# KiCad board Marble.kicad_pcb (continued)
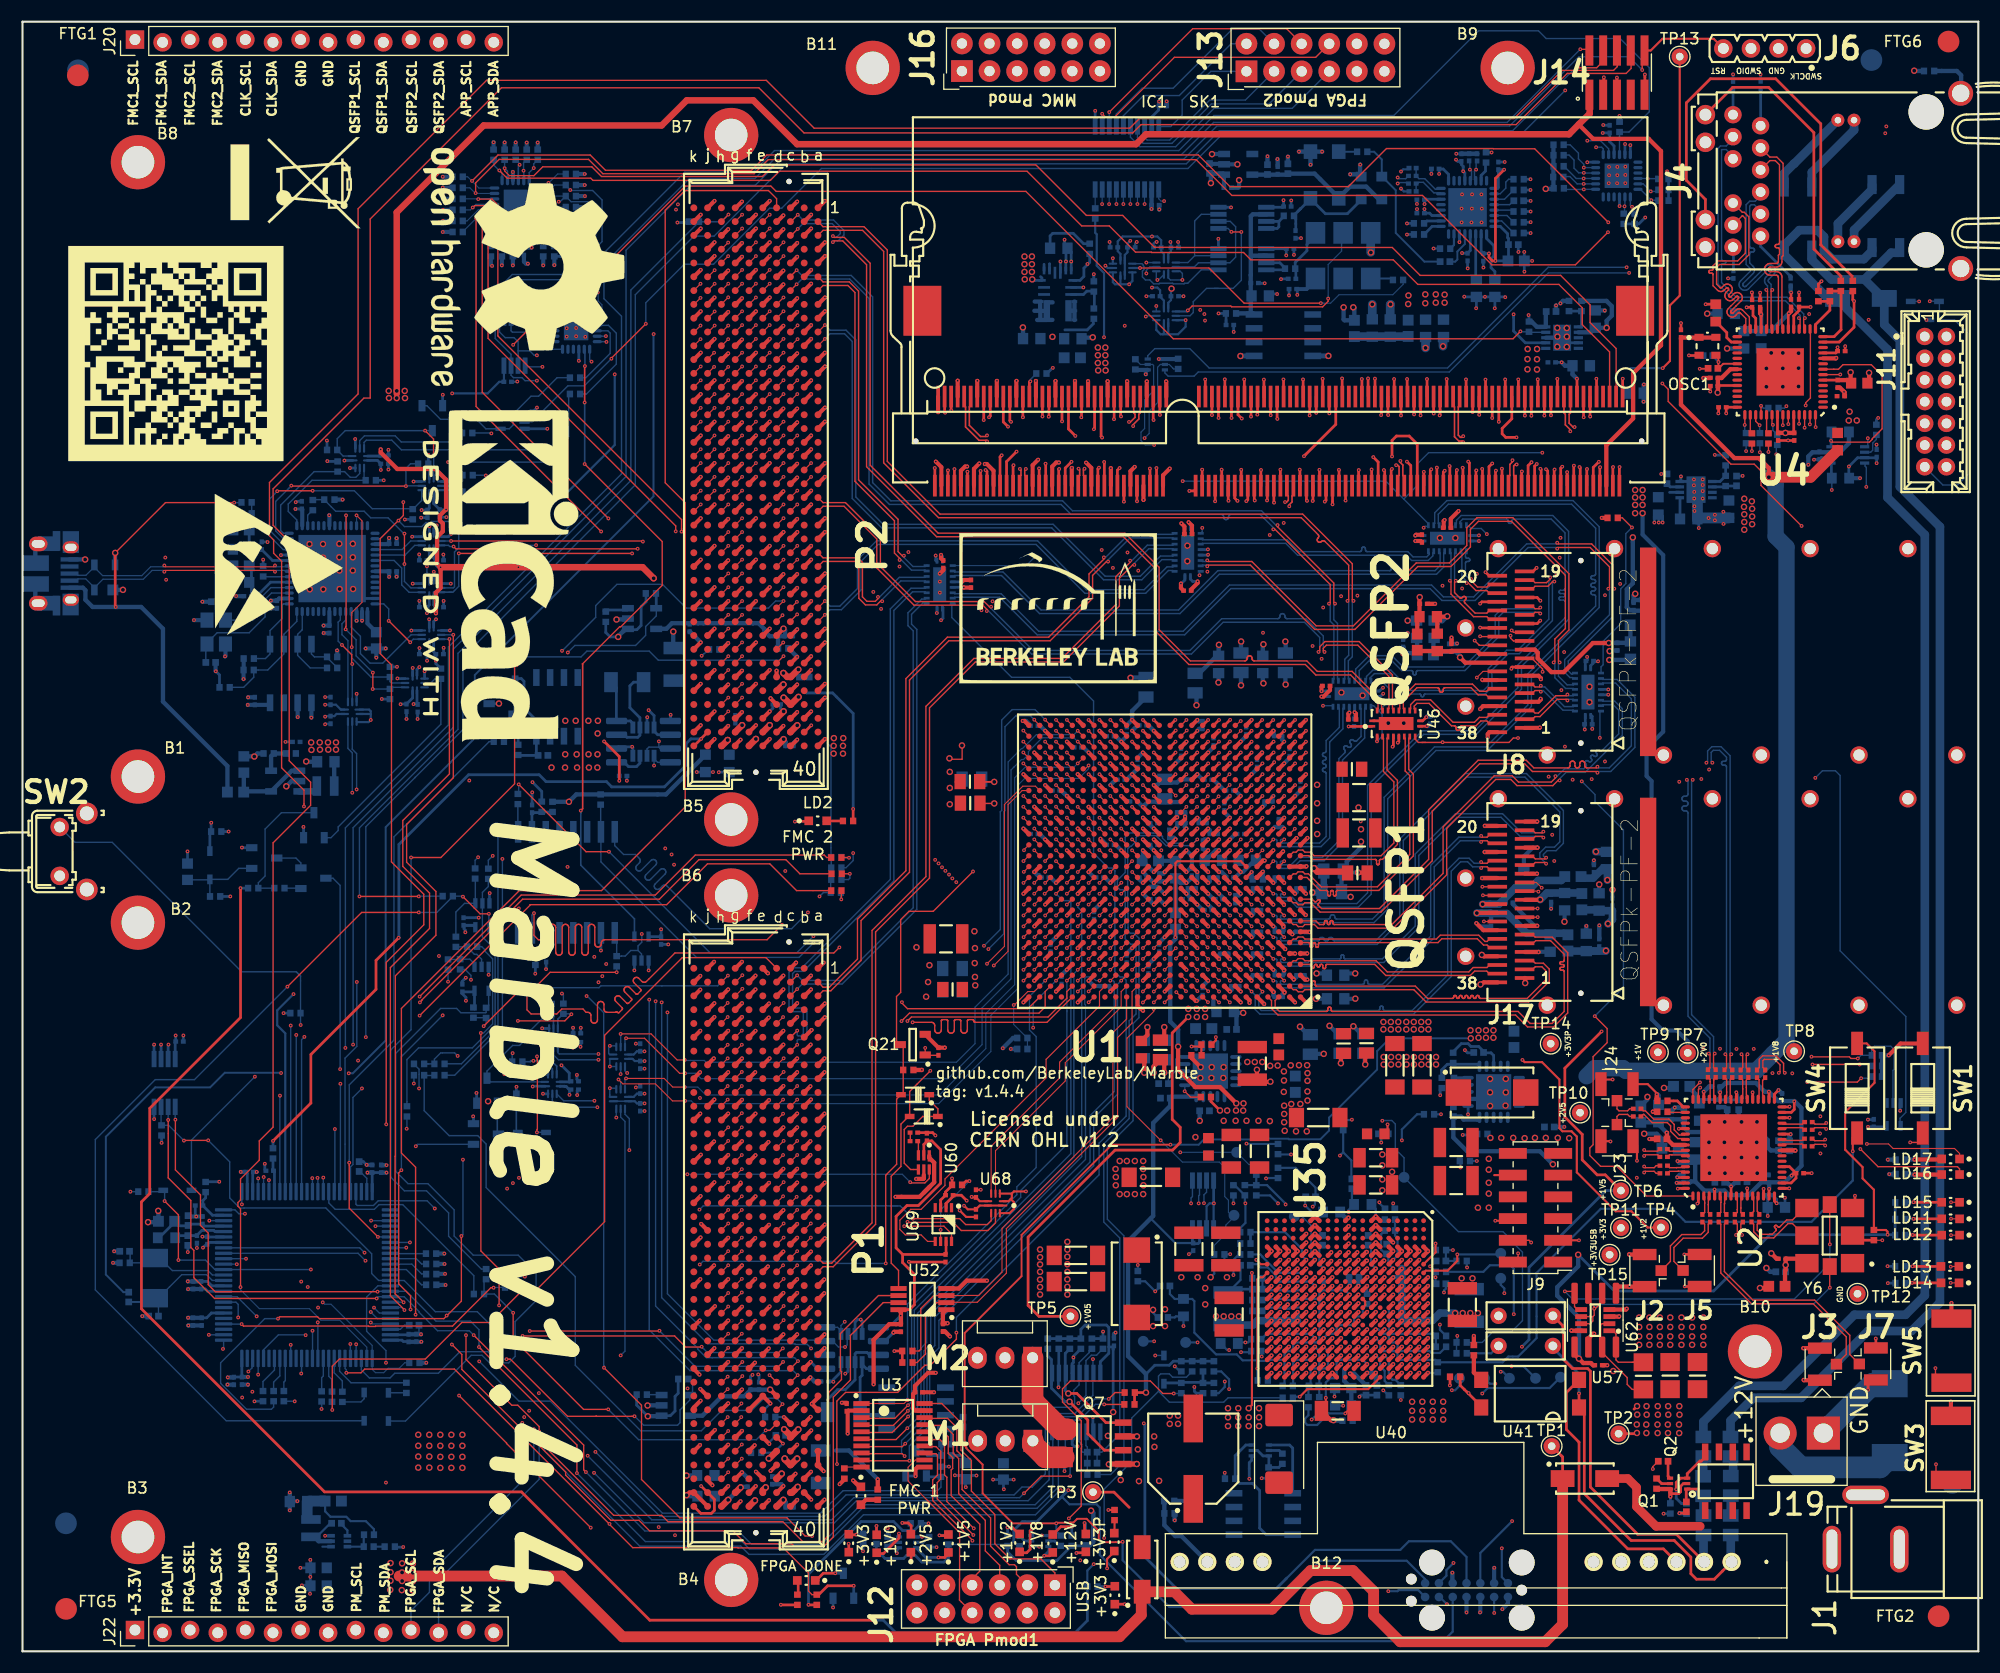
[diagram p0: board, top side]
## Footprints (pads in the part's own frame, mm; a bottom-side part is the same pattern mirrored in y, then rotated) (continued)
  round 0.64 smd: A1(24.765,-5.715) A2(23.495,-5.715) A3(22.225,-5.715) A4(20.955,-5.715) A5(19.685,-5.715) A6(18.415,-5.715) A7(17.145,-5.715) A8(15.875,-5.715) A9(14.605,-5.715) A10(13.335,-5.715) A11(12.065,-5.715) A12(10.795,-5.715) A13(9.525,-5.715) A14(8.255,-5.715) A15(6.985,-5.715) A16(5.715,-5.715) A17(4.445,-5.715) A18(3.175,-5.715) A19(1.905,-5.715) A20(0.635,-5.715) A21(-0.635,-5.715) A22(-1.905,-5.715) A23(-3.175,-5.715) A24(-4.445,-5.715) A25(-5.715,-5.715) A26(-6.985,-5.715) A27(-8.255,-5.715) A28(-9.525,-5.715) A29(-10.795,-5.715) A30(-12.065,-5.715) A31(-13.335,-5.715) A32(-14.605,-5.715) A33(-15.875,-5.715) A34(-17.145,-5.715) A35(-18.415,-5.715) A36(-19.685,-5.715) A37(-20.955,-5.715) A38(-22.225,-5.715) A39(-23.495,-5.715) A40(-24.765,-5.715) B1(24.765,-4.445) B2(23.495,-4.445) B3(22.225,-4.445) B4(20.955,-4.445) B5(19.685,-4.445) B6(18.415,-4.445) B7(17.145,-4.445) B8(15.875,-4.445) B9(14.605,-4.445) B10(13.335,-4.445) B11(12.065,-4.445) B12(10.795,-4.445) B13(9.525,-4.445) B14(8.255,-4.445) B15(6.985,-4.445) B16(5.715,-4.445) B17(4.445,-4.445) B18(3.175,-4.445) B19(1.905,-4.445) B20(0.635,-4.445) B21(-0.635,-4.445) B22(-1.905,-4.445) B23(-3.175,-4.445) B24(-4.445,-4.445) B25(-5.715,-4.445) B26(-6.985,-4.445) B27(-8.255,-4.445) B28(-9.525,-4.445) B29(-10.795,-4.445) B30(-12.065,-4.445) B31(-13.335,-4.445) B32(-14.605,-4.445) B33(-15.875,-4.445) B34(-17.145,-4.445) B35(-18.415,-4.445) B36(-19.685,-4.445) B37(-20.955,-4.445) B38(-22.225,-4.445) B39(-23.495,-4.445) B40(-24.765,-4.445) C1(24.765,-3.175) C2(23.495,-3.175) C3(22.225,-3.175) C4(20.955,-3.175) C5(19.685,-3.175) C6(18.415,-3.175) C7(17.145,-3.175) C8(15.875,-3.175) C9(14.605,-3.175) C10(13.335,-3.175) C11(12.065,-3.175) C12(10.795,-3.175) C13(9.525,-3.175) C14(8.255,-3.175) C15(6.985,-3.175) C16(5.715,-3.175) C17(4.445,-3.175) C18(3.175,-3.175) C19(1.905,-3.175) C20(0.635,-3.175) C21(-0.635,-3.175) C22(-1.905,-3.175) C23(-3.175,-3.175) C24(-4.445,-3.175) C25(-5.715,-3.175) C26(-6.985,-3.175) C27(-8.255,-3.175) C28(-9.525,-3.175) C29(-10.795,-3.175) C30(-12.065,-3.175) C31(-13.335,-3.175) C32(-14.605,-3.175) C33(-15.875,-3.175) C34(-17.145,-3.175) C35(-18.415,-3.175) C36(-19.685,-3.175) C37(-20.955,-3.175) C38(-22.225,-3.175) C39(-23.495,-3.175) C40(-24.765,-3.175) D1(24.765,-1.905) D2(23.495,-1.905) D3(22.225,-1.905) D4(20.955,-1.905) D5(19.685,-1.905) D6(18.415,-1.905) D7(17.145,-1.905) D8(15.875,-1.905) D9(14.605,-1.905) D10(13.335,-1.905) D11(12.065,-1.905) D12(10.795,-1.905) D13(9.525,-1.905) D14(8.255,-1.905) D15(6.985,-1.905) D16(5.715,-1.905) D17(4.445,-1.905) D18(3.175,-1.905) D19(1.905,-1.905) D20(0.635,-1.905) D21(-0.635,-1.905) D22(-1.905,-1.905) D23(-3.175,-1.905) D24(-4.445,-1.905) D25(-5.715,-1.905) D26(-6.985,-1.905) D27(-8.255,-1.905) D28(-9.525,-1.905) D29(-10.795,-1.905) D30(-12.065,-1.905) D31(-13.335,-1.905) D32(-14.605,-1.905) D33(-15.875,-1.905) D34(-17.145,-1.905) D35(-18.415,-1.905) D36(-19.685,-1.905) D37(-20.955,-1.905) D38(-22.225,-1.905) D39(-23.495,-1.905) D40(-24.765,-1.905) E1(24.765,-0.635) E2(23.495,-0.635) E3(22.225,-0.635) E4(20.955,-0.635) E5(19.685,-0.635) E6(18.415,-0.635) E7(17.145,-0.635) E8(15.875,-0.635) E9(14.605,-0.635) E10(13.335,-0.635) E11(12.065,-0.635) E12(10.795,-0.635) E13(9.525,-0.635) E14(8.255,-0.635) E15(6.985,-0.635) E16(5.715,-0.635) E17(4.445,-0.635) E18(3.175,-0.635) E19(1.905,-0.635) E20(0.635,-0.635) E21(-0.635,-0.635) E22(-1.905,-0.635) E23(-3.175,-0.635) E24(-4.445,-0.635) E25(-5.715,-0.635) E26(-6.985,-0.635) E27(-8.255,-0.635) E28(-9.525,-0.635) E29(-10.795,-0.635) E30(-12.065,-0.635) E31(-13.335,-0.635) E32(-14.605,-0.635) E33(-15.875,-0.635) E34(-17.145,-0.635) E35(-18.415,-0.635) E36(-19.685,-0.635) E37(-20.955,-0.635) E38(-22.225,-0.635) E39(-23.495,-0.635) E40(-24.765,-0.635) F1(24.765,0.635) F2(23.495,0.635) F3(22.225,0.635) F4(20.955,0.635) F5(19.685,0.635) F6(18.415,0.635) F7(17.145,0.635) F8(15.875,0.635) F9(14.605,0.635) F10(13.335,0.635) F11(12.065,0.635) F12(10.795,0.635) F13(9.525,0.635) F14(8.255,0.635) F15(6.985,0.635) F16(5.715,0.635) F17(4.445,0.635) F18(3.175,0.635) F19(1.905,0.635) F20(0.635,0.635) F21(-0.635,0.635) F22(-1.905,0.635) F23(-3.175,0.635) F24(-4.445,0.635) F25(-5.715,0.635) F26(-6.985,0.635) F27(-8.255,0.635) F28(-9.525,0.635) F29(-10.795,0.635) F30(-12.065,0.635) F31(-13.335,0.635) F32(-14.605,0.635) F33(-15.875,0.635) F34(-17.145,0.635) F35(-18.415,0.635) F36(-19.685,0.635) F37(-20.955,0.635) F38(-22.225,0.635) F39(-23.495,0.635) F40(-24.765,0.635) G1(24.765,1.905) G2(23.495,1.905) G3(22.225,1.905) G4(20.955,1.905) G5(19.685,1.905) G6(18.415,1.905) G7(17.145,1.905) G8(15.875,1.905) G9(14.605,1.905) G10(13.335,1.905) G11(12.065,1.905) G12(10.795,1.905) G13(9.525,1.905) G14(8.255,1.905) G15(6.985,1.905) G16(5.715,1.905) G17(4.445,1.905) G18(3.175,1.905) G19(1.905,1.905) G20(0.635,1.905) G21(-0.635,1.905) G22(-1.905,1.905) G23(-3.175,1.905) G24(-4.445,1.905) G25(-5.715,1.905) G26(-6.985,1.905) G27(-8.255,1.905) G28(-9.525,1.905) G29(-10.795,1.905) G30(-12.065,1.905) G31(-13.335,1.905) G32(-14.605,1.905) G33(-15.875,1.905) G34(-17.145,1.905) G35(-18.415,1.905) G36(-19.685,1.905) G37(-20.955,1.905) G38(-22.225,1.905) G39(-23.495,1.905) G40(-24.765,1.905) H1(24.765,3.175) H2(23.495,3.175) H3(22.225,3.175) H4(20.955,3.175) H5(19.685,3.175) H6(18.415,3.175) H7(17.145,3.175) H8(15.875,3.175) H9(14.605,3.175) H10(13.335,3.175) H11(12.065,3.175) H12(10.795,3.175) H13(9.525,3.175) H14(8.255,3.175) H15(6.985,3.175) H16(5.715,3.175) H17(4.445,3.175) H18(3.175,3.175) H19(1.905,3.175) H20(0.635,3.175) H21(-0.635,3.175) H22(-1.905,3.175) H23(-3.175,3.175) H24(-4.445,3.175) H25(-5.715,3.175) H26(-6.985,3.175) H27(-8.255,3.175) H28(-9.525,3.175) H29(-10.795,3.175) H30(-12.065,3.175) H31(-13.335,3.175) H32(-14.605,3.175) H33(-15.875,3.175) H34(-17.145,3.175) H35(-18.415,3.175) H36(-19.685,3.175) H37(-20.955,3.175) H38(-22.225,3.175) H39(-23.495,3.175) H40(-24.765,3.175) J1(24.765,4.445) J2(23.495,4.445) J3(22.225,4.445) J4(20.955,4.445) J5(19.685,4.445) J6(18.415,4.445) J7(17.145,4.445) J8(15.875,4.445) J9(14.605,4.445) J10(13.335,4.445) J11(12.065,4.445) J12(10.795,4.445) J13(9.525,4.445) J14(8.255,4.445) J15(6.985,4.445) J16(5.715,4.445) J17(4.445,4.445) J18(3.175,4.445) J19(1.905,4.445) J20(0.635,4.445) J21(-0.635,4.445) J22(-1.905,4.445) J23(-3.175,4.445) J24(-4.445,4.445) J25(-5.715,4.445) J26(-6.985,4.445) J27(-8.255,4.445) J28(-9.525,4.445) J29(-10.795,4.445) J30(-12.065,4.445) J31(-13.335,4.445) J32(-14.605,4.445) J33(-15.875,4.445) J34(-17.145,4.445) J35(-18.415,4.445) J36(-19.685,4.445) J37(-20.955,4.445) J38(-22.225,4.445) J39(-23.495,4.445) J40(-24.765,4.445) K1(24.765,5.715) K2(23.495,5.715) K3(22.225,5.715) K4(20.955,5.715) K5(19.685,5.715) K6(18.415,5.715) K7(17.145,5.715) K8(15.875,5.715) K9(14.605,5.715) K10(13.335,5.715) K11(12.065,5.715) K12(10.795,5.715) K13(9.525,5.715) K14(8.255,5.715) K15(6.985,5.715) K16(5.715,5.715) K17(4.445,5.715) K18(3.175,5.715) K19(1.905,5.715) K20(0.635,5.715) K21(-0.635,5.715) K22(-1.905,5.715) K23(-3.175,5.715) K24(-4.445,5.715) K25(-5.715,5.715) K26(-6.985,5.715) K27(-8.255,5.715) K28(-9.525,5.715) K29(-10.795,5.715) K30(-12.065,5.715) K31(-13.335,5.715) K32(-14.605,5.715) K33(-15.875,5.715) K34(-17.145,5.715) K35(-18.415,5.715) K36(-19.685,5.715) K37(-20.955,5.715) K38(-22.225,5.715) K39(-23.495,5.715) K40(-24.765,5.715)
SAMTEC_FTSH-105-01-L-DV-K
  rect 0.74x2.79 smd: 1(-2.54,-2.035) 2(-2.54,2.035) 3(-1.27,-2.035) 4(-1.27,2.035) 5(0,-2.035) 6(0,2.035) 7(1.27,-2.035) 8(1.27,2.035) 9(2.54,-2.035) 10(2.54,2.035)
SAMTEC_MTLW-104-07-L-S-250
  round 1.7 hole 1: 1(0,0) 2(2.54,0) 3(5.08,0) 4(7.62,0)
SAMTEC_QSFP8-038-01-L-D-RA1
  round 0.5 hole 1.55 unplated: (-6.435,8.4) (-6.435,-8.4)
  rect 1.8x0.35 smd: 1(-1.255,7) 2(-1.255,6.2) 3(-1.255,5.4) 4(-1.255,4.6) 5(-1.255,3.8) 6(-1.255,3) 7(-1.255,2.2) 8(-1.255,1.4) 9(-1.255,0.6) 10(-1.255,-0.2) 11(-1.255,-1) 12(-1.255,-1.8) 13(-1.255,-2.6) 14(-1.255,-3.4) 15(-1.255,-4.2) 16(-1.255,-5) 17(-1.255,-5.8) 18(-1.255,-6.6) 19(-1.255,-7.4) 20(1.255,-7) 21(1.255,-6.2) 22(1.255,-5.4) 23(1.255,-4.6) 24(1.255,-3.8) 25(1.255,-3) 26(1.255,-2.2) 27(1.255,-1.4) 28(1.255,-0.6) 29(1.255,0.2) 30(1.255,1) 31(1.255,1.8) 32(1.255,2.6) 33(1.255,3.4) 34(1.255,4.2) 35(1.255,5) 36(1.255,5.8) 37(1.255,6.6) 38(1.255,7.4)
SDL-112-X-XX_2x06
  rect 2x2 hole 0.95: 1(0,0)
  round 2 hole 0.95: 2(2.54,0) 3(0,-2.54) 4(2.54,-2.54) 5(0,-5.08) 6(2.54,-5.08) 7(0,-7.62) 8(2.54,-7.62) 9(0,-10.16) 10(2.54,-10.16) 11(0,-12.7) 12(2.54,-12.7)
SOD2512X110N
  rect 0.9x0.5 smd: 1(-1.3,0) 2(1.3,0)
SOIC127P600X175-8N
  rect 1.55x0.6 smd: 1(-2.7,1.905) 2(-2.7,0.635) 3(-2.7,-0.635) 4(-2.7,-1.905) 5(2.7,-1.905) 6(2.7,-0.635) 7(2.7,0.635) 8(2.7,1.905)
SOIC127P1030X265-16N
  rect 2x0.6 smd: 1(-4.65,4.445) 2(-4.65,3.175) 3(-4.65,1.905) 4(-4.65,0.635) 5(-4.65,-0.635) 6(-4.65,-1.905) 7(-4.65,-3.175) 8(-4.65,-4.445) 9(4.65,-4.445) 10(4.65,-3.175) 11(4.65,-1.905) 12(4.65,-0.635) 13(4.65,0.635) 14(4.65,1.905) 15(4.65,3.175) 16(4.65,4.445)
SOIC254P665X290-4N
  rect 1.75x0.85 smd: 1(-2.9,1.27) 2(-2.9,-1.27) 3(2.9,-1.27) 4(2.9,1.27)
SOIC-8_3.9x4.9mm_P1.27mm
  rrect 1.95x0.6 smd: 1(-2.475,1.905) 2(-2.475,0.635) 3(-2.475,-0.635) 4(-2.475,-1.905) 5(2.475,-1.905) 6(2.475,-0.635) 7(2.475,0.635) 8(2.475,1.905)
SON50P150X150X80-6N
  rect 1.05x0.3 smd: 1(-0.6,0.5)
  rect 0.95x0.3 smd: 2(-0.65,0) 3(-0.65,-0.5) 4(0.65,-0.5) 5(0.65,0) 6(0.65,0.5)
SON50P300X300X80-9N-R175X248
  rect 0.8x0.3 smd: 1(-1.5,0.75) 2(-1.5,0.25) 3(-1.5,-0.25) 4(-1.5,-0.75) 5(1.5,-0.75) 6(1.5,-0.25) 7(1.5,0.25) 8(1.5,0.75)
  rect 1.75x2.45 smd: 9(0,0)
SOP50P310X90-8N
  rect 0.85x0.3 smd: 1(-1.55,0.75) 2(-1.55,0.25) 3(-1.55,-0.25) 4(-1.55,-0.75) 5(1.55,-0.75) 6(1.55,-0.25) 7(1.55,0.25) 8(1.55,0.75)
SOP63P600X175-16N
  rect 1.55x0.4 smd: 1(-2.7,2.223) 2(-2.7,1.588) 3(-2.7,0.953) 4(-2.7,0.318) 5(-2.7,-0.318) 6(-2.7,-0.953) 7(-2.7,-1.588) 8(-2.7,-2.223) 9(2.7,-2.223) 10(2.7,-1.588) 11(2.7,-0.953) 12(2.7,-0.318) 13(2.7,0.318) 14(2.7,0.953) 15(2.7,1.588) 16(2.7,2.223)
SOP65P490X109-8N
  rect 1.5x0.45 smd: 1(-2.2,0.975) 2(-2.2,0.325) 3(-2.2,-0.325) 4(-2.2,-0.975) 5(2.2,-0.975) 6(2.2,-0.325) 7(2.2,0.325) 8(2.2,0.975)
SOP65P490X110-8N
  rect 1.5x0.45 smd: 1(-2.2,0.975) 2(-2.2,0.325) 3(-2.2,-0.325) 4(-2.2,-0.975) 5(2.2,-0.975) 6(2.2,-0.325) 7(2.2,0.325) 8(2.2,0.975)
SOP65P640X120-20N
  rect 1.5x0.45 smd: 1(-2.9,2.925) 2(-2.9,2.275) 3(-2.9,1.625) 4(-2.9,0.975) 5(-2.9,0.325) 6(-2.9,-0.325) 7(-2.9,-0.975) 8(-2.9,-1.625) 9(-2.9,-2.275) 10(-2.9,-2.925) 11(2.9,-2.925) 12(2.9,-2.275) 13(2.9,-1.625) 14(2.9,-0.975) 15(2.9,-0.325) 16(2.9,0.325) 17(2.9,0.975) 18(2.9,1.625) 19(2.9,2.275) 20(2.9,2.925)
SOT65P210X110-5N
  rect 0.95x0.4 smd: 1(-1.1,0.65) 2(-1.1,0) 3(-1.1,-0.65) 4(1.1,-0.65) 5(1.1,0.65)
SOT65P212X110-5N
  rect 0.9x0.4 smd: 1(-1.05,0.65) 2(-1.05,0) 3(-1.05,-0.65) 4(1.05,-0.65) 5(1.05,0.65)
SOT65P280X145-8N
  rect 1.1x0.45 smd: 1(-1.3,0.975) 2(-1.3,0.325) 3(-1.3,-0.325) 4(-1.3,-0.975) 5(1.3,-0.975) 6(1.3,-0.325) 7(1.3,0.325) 8(1.3,0.975)
SOT95P240X110-3N
  rect 1.05x0.65 smd: 1(-1.15,0.95) 2(-1.15,-0.95) 3(1.15,0)
SOT95P280X145-5N
  rect 1.1x0.6 smd: 1(-1.3,0.95) 2(-1.3,0) 3(-1.3,-0.95) 4(1.3,-0.95) 5(1.3,0.95)
SOT95P284X122-5N
  rect 1.1x0.6 smd: 1(-1.3,0.95) 2(-1.3,0) 3(-1.3,-0.95) 4(1.3,-0.95) 5(1.3,0.95)
SOT190P230X110-4N
  rect 1x1 smd: 1(-1.15,0.75)
  rect 1x0.6 smd: 2(-1.15,-0.95) 3(1.15,-0.95) 4(1.15,0.95)
SOT-563
  rect 0.7x0.34 smd: 1(-0.75,0.5) 2(-0.75,0) 3(-0.75,-0.5) 4(0.75,-0.5) 5(0.75,0) 6(0.75,0.5)
SOTFL50P160X60-6N
  rect 0.57x0.3 smd: 1(-0.79,0.5) 2(-0.79,0) 3(-0.79,-0.5) 4(0.79,-0.5) 5(0.79,0) 6(0.79,0.5)
SW_OMRON_A6SN-1101
  rect 2.15x1.1 smd: 1(-4.125,0) 2(4.125,0)
Tag-Connect_TC2070-IDC-FP_2x07_P1.27mm_Vertical
  round 2.375 hole 2.375 unplated: (-5.08,-2.54) (-5.08,2.54) (3.175,-2.54) (3.175,2.54)
  round 0.991 hole 0.991 unplated: (-5.08,0) (5.08,-1.016) (5.08,1.016)
  round 0.787 smd: 1(-3.81,-0.635) 2(-2.54,-0.635) 3(-1.27,-0.635) 4(0,-0.635) 5(1.27,-0.635) 6(2.54,-0.635) 7(3.81,-0.635) 8(3.81,0.635) 9(2.54,0.635) 10(1.27,0.635) 11(0,0.635) 12(-1.27,0.635) 13(-2.54,0.635) 14(-3.81,0.635)
TestPoint_Pad_D1.0mm
  round 1 smd: 1(0,0)
TestPoint_THTPad_D1.5mm_Drill0.7mm
  round 1.5 hole 0.7: 1(0,0)
TEXAS_DRC(S-PVSON-N10)
  rect 0.85x0.3 smd: 1(-1.497,1) 2(-1.497,0.5) 3(-1.497,0) 4(-1.497,-0.465) 5(-1.497,-0.981) 6(1.5,-0.981) 7(1.5,-0.465) 8(1.5,0) 9(1.5,0.5) 10(1.5,1)
  rect 1.65x2.4 smd: 11(0,0)
TYCO_2-2013022-1
  round 0.5 hole 1.6 unplated: (-33.4,0)
  round 0.5 hole 1.1 unplated: (33.4,0)
  rect 0.35x2 smd: 1(-31.65,-4.1) 2(-31.35,4.1) 3(-31.05,-4.1) 4(-30.75,4.1) 5(-30.45,-4.1) 6(-30.15,4.1) 7(-29.85,-4.1) 8(-29.55,4.1) 9(-29.25,-4.1) 10(-28.95,4.1) 11(-28.65,-4.1) 12(-28.35,4.1) 13(-28.05,-4.1) 14(-27.75,4.1) 15(-27.45,-4.1) 16(-27.15,4.1) 17(-26.85,-4.1) 18(-26.55,4.1) 19(-26.25,-4.1) 20(-25.95,4.1) 21(-25.65,-4.1) 22(-25.35,4.1) 23(-25.05,-4.1) 24(-24.75,4.1) 25(-24.45,-4.1) 26(-24.15,4.1) 27(-23.85,-4.1) 28(-23.55,4.1) 29(-23.25,-4.1) 30(-22.95,4.1) 31(-22.65,-4.1) 32(-22.35,4.1) 33(-22.05,-4.1) 34(-21.75,4.1) 35(-21.45,-4.1) 36(-21.15,4.1) 37(-20.85,-4.1) 38(-20.55,4.1) 39(-20.25,-4.1) 40(-19.95,4.1) 41(-19.65,-4.1) 42(-19.35,4.1) 43(-19.05,-4.1) 44(-18.75,4.1) 45(-18.45,-4.1) 46(-18.15,4.1) 47(-17.85,-4.1) 48(-17.55,4.1) 49(-17.25,-4.1) 50(-16.95,4.1) 51(-16.65,-4.1) 52(-16.35,4.1) 53(-16.05,-4.1) 54(-15.75,4.1) 55(-15.45,-4.1) 56(-15.15,4.1) 57(-14.85,-4.1) 58(-14.55,4.1) 59(-14.25,-4.1) 60(-13.95,4.1) 61(-13.65,-4.1) 62(-13.35,4.1) 63(-13.05,-4.1) 64(-12.75,4.1) 65(-12.45,-4.1) 66(-12.15,4.1) 67(-11.85,-4.1) 68(-11.55,4.1) 69(-11.25,-4.1) 70(-10.95,4.1) 71(-10.65,-4.1) 72(-10.35,4.1) 73(-7.65,-4.1) 74(-7.35,4.1) 75(-7.05,-4.1) 76(-6.75,4.1) 77(-6.45,-4.1) 78(-6.15,4.1) 79(-5.85,-4.1) 80(-5.55,4.1) 81(-5.25,-4.1) 82(-4.95,4.1) 83(-4.65,-4.1) 84(-4.35,4.1) 85(-4.05,-4.1) 86(-3.75,4.1) 87(-3.45,-4.1) 88(-3.15,4.1) 89(-2.85,-4.1) 90(-2.55,4.1) 91(-2.25,-4.1) 92(-1.95,4.1) 93(-1.65,-4.1) 94(-1.35,4.1) 95(-1.05,-4.1) 96(-0.75,4.1) 97(-0.45,-4.1) 98(-0.15,4.1) 99(0.15,-4.1) 100(0.45,4.1) 101(0.75,-4.1) 102(1.05,4.1) 103(1.35,-4.1) 104(1.65,4.1) 105(1.95,-4.1) 106(2.25,4.1) 107(2.55,-4.1) 108(2.85,4.1) 109(3.15,-4.1) 110(3.45,4.1) 111(3.75,-4.1) 112(4.05,4.1) 113(4.35,-4.1) 114(4.65,4.1) 115(4.95,-4.1) 116(5.25,4.1) 117(5.55,-4.1) 118(5.85,4.1) 119(6.15,-4.1) 120(6.45,4.1) 121(6.75,-4.1) 122(7.05,4.1) 123(7.35,-4.1) 124(7.65,4.1) 125(7.95,-4.1) 126(8.25,4.1) 127(8.55,-4.1) 128(8.85,4.1) 129(9.15,-4.1) 130(9.45,4.1) 131(9.75,-4.1) 132(10.05,4.1) 133(10.35,-4.1) 134(10.65,4.1) 135(10.95,-4.1) 136(11.25,4.1) 137(11.55,-4.1) 138(11.85,4.1) 139(12.15,-4.1) 140(12.45,4.1) 141(12.75,-4.1) 142(13.05,4.1) 143(13.35,-4.1) 144(13.65,4.1) 145(13.95,-4.1) 146(14.25,4.1) 147(14.55,-4.1) 148(14.85,4.1) 149(15.15,-4.1) 150(15.45,4.1) 151(15.75,-4.1) 152(16.05,4.1) 153(16.35,-4.1) 154(16.65,4.1) 155(16.95,-4.1) 156(17.25,4.1) 157(17.55,-4.1) 158(17.85,4.1) 159(18.15,-4.1) 160(18.45,4.1) 161(18.75,-4.1) 162(19.05,4.1) 163(19.35,-4.1) 164(19.65,4.1) 165(19.95,-4.1) 166(20.25,4.1) 167(20.55,-4.1) 168(20.85,4.1) 169(21.15,-4.1) 170(21.45,4.1) 171(21.75,-4.1) 172(22.05,4.1) 173(22.35,-4.1) 174(22.65,4.1) 175(22.95,-4.1) 176(23.25,4.1) 177(23.55,-4.1) 178(23.85,4.1) 179(24.15,-4.1) 180(24.45,4.1) 181(24.75,-4.1) 182(25.05,4.1) 183(25.35,-4.1) 184(25.65,4.1) 185(25.95,-4.1) 186(26.25,4.1) 187(26.55,-4.1) 188(26.85,4.1) 189(27.15,-4.1) 190(27.45,4.1) 191(27.75,-4.1) 192(28.05,4.1) 193(28.35,-4.1) 194(28.65,4.1) 195(28.95,-4.1) 196(29.25,4.1) 197(29.55,-4.1) 198(29.85,4.1) 199(30.15,-4.1) 200(30.45,4.1) 201(30.75,-4.1) 202(31.05,4.1) 203(31.35,-4.1) 204(31.65,4.1)
  rect 3.5x4.6 smd: 205(-32.8,12) 206(32.8,12)
U.FL_Hirose_U.FL-R-SMT-1_Vertical
  rect 1.05x1 smd: 1(-1.05,0)
  rect 2.2x1.05 smd: 2(0.475,1.475) 2(0.475,-1.475)
USB_Micro-B_Amphenol_10103594-0001LF_Horizontal
  rect 0.4x1.65 smd: 1(-1.325,1.765) 2(-0.675,1.765) 3(-0.025,1.765) 4(0.625,1.765) 5(1.275,1.765)
  rect 1.825x0.7 smd: 6(-2.975,0.565) 6(2.975,0.565)
  rect 2x1.5 smd: 6(-2.875,1.865) 6(2.875,1.885)
  oval 1.35x1.7 hole 0.7x1.2: 6(-2.755,-1.115) 6(2.705,-1.115)
  rect 1.35x2 smd: 6(-2.755,-0.185) 6(2.725,-0.185)
  oval 1.1x1.5 hole 0.65x1.05: 6(-2.445,1.885) 6(2.395,1.885)
  rect 1.43x2.5 smd: 6(-0.985,-1.385) 6(0.935,-1.385)
XTAL_TXC_7A
  rect 1.7x2.4 smd: 1(-1.85,0) 2(1.85,0)
XTAL_TXC_7M
  rect 1.2x1.4 smd: 1(-0.85,1.1) 2(-0.85,-1.1) 3(0.85,-1.1) 4(0.85,1.1)

## Nets
+1V0: C53.1 C54.1 C57.1 C264.1 C265.1 C266.1 C267.1 C268.1 C269.1 C270.1 C271.1 C272.1 C273.1 C274.1 C275.1 C276.1 C277.1 C278.1 C279.1 J21.6 L14.2 L32.2 L33.1 R247.1 TP9.1 U1.J9 U1.K8 U1.K10 U1.K12 U1.K14 U1.L9 U1.L13 U1.L15 U1.M8 U1.M14 U1.N9 U1.N15 U1.P14 U1.R15 U1.T14 U1.U15 U4.6 U4.42
+1V5: C22.1 C253.1 C255.1 C257.1 C259.1 C261.1 C263.1 C280.1 C282.1 C284.1 C286.1 C312.1 C317.1 C332.1 C334.1 C336.1 C338.1 C386.1 C387.1 C388.1 C389.1 C390.1 C391.1 C430.1 C431.1 J21.14 L42.2 R5.1 R20.1 R31.2 R250.1 SK1.75 SK1.76 SK1.81 SK1.82 SK1.87 SK1.88 SK1.93 SK1.94 SK1.99 SK1.100 SK1.105 SK1.106 SK1.111 SK1.112 SK1.117 SK1.118 SK1.123 SK1.124 TP6.1 U1.AA1 U1.AA11 U1.AB8 U1.AB18 U1.AC5 U1.AC15 U1.AD2 U1.AD12 U1.AE9 U1.AE19 U1.AF6 U1.AF16 U1.U3 U1.V10 U1.W7 U1.W17 U1.Y4 U1.Y14 U12.2 U31.2 U42.6 U53.6 U67.6
+1V8: C43.1 C142.1 C382.1 J21.5 L3.1 L15.1 L27.1 L31.2 OSC1.1 OSC1.4 R74.1 R76.1 R255.1 TP8.1 U1.N6 U36.5 U36.6 U36.7 U36.8 U37.5 U37.6 U37.7 U37.8
+1V8_USB: C173.1 U23.43
+2V5: C11.1 C12.2 C13.2 C21.1 C44.1 C55.1 C56.1 C67.1 C68.2 C69.2 C79.1 C105.1 C137.1 C185.1 C186.1 C187.1 C211.1 C212.1 C213.1 C214.1 C239.1 C240.1 C241.1 C242.1 C243.1 C244.1 C245.1 C246.1 C247.1 C248.1 C249.1 C250.1 C251.1 C252.1 C254.1 C256.1 C258.1 C260.1 C262.1 C281.1 C283.1 C285.1 C287.1 C313.1 C319.1 C333.1 C335.1 C337.1 C339.1 C356.1 C392.1 C422.1 C423.1 C433.1 J11.2 J21.7 L21.2 P1.E39 P1.F40 P1.G39 P1.H40 P2.E39 P2.F40 P2.G39 P2.H40 R1.1 R2.1 R4.1 R6.1 R64.2 R131.1 R160.1 R162.1 R166.1 R221.1 R223.1 R225.1 R227.1 R251.1 R262.1 R282.2 R283.1 TP10.1 U1.A11 U1.A21 U1.AA21 U1.AC25 U1.AD22 U1.AF26 U1.B8 U1.B18 U1.C15 U1.C25 U1.D12 U1.D22 U1.E9 U1.E19 U1.F16 U1.F26 U1.G13 U1.G23 U1.H10 U1.H20 U1.J17 U1.K24 U1.L7 U1.L21 U1.M18 U1.N25 U1.P7 U1.P22 U1.R19 U1.T6 U1.T16 U1.T26 U1.U23 U1.V20 U1.Y24 U3.2 U4.11 U4.49 U4.52 U6.3 U8.1 U8.6 U8.7 U8.10 U9.6 U9.7 U9.10 U15.6 U26.6 U33.6 U38.6 U51.6 U52.1 U65.6 U68.6 U69.3
+3V3: C7.1 C8.1 C23.1 C24.1 C37.1 C41.1 C63.1 C64.1 C71.2 C78.1 C103.1 C104.1 C215.1 C290.1 C291.1 C292.1 C293.1 C294.1 C295.1 C296.1 C297.1 C298.1 C305.1 C306.1 C314.1 C315.1 C316.1 C318.1 C328.2 C342.1 C365.1 C377.1 C395.1 C396.1 C397.1 C398.1 C399.1 C400.1 C401.1 C402.1 C403.1 C411.1 C415.1 C428.1 C429.1 J4.18 J4.20 J12.11 J12.12 J13.11 J13.12 J16.11 J16.12 J21.9 L1.1 L2.1 L4.1 L5.1 L6.1 L7.1 L8.2 L11.1 L22.2 L30.1 L43.1 L44.1 L45.2 P1.C39 P1.D36 P1.D38 P1.D40 P2.C39 P2.D36 P2.D38 P2.D40 R18.1 R19.1 R24.1 R25.1 R28.1 R29.1 R35.1 R36.1 R37.2 R38.2 R49.2 R50.2 R53.2 R54.2 R55.2 R56.2 R62.2 R77.2 R83.2 R91.2 R130.1 R163.1 R172.1 R173.1 R199.1 R224.1 R248.1 R264.1 R265.1 R301.1 R302.1 R303.2 R304.2 R305.2 TP11.1 U2.14 U3.19 U6.7 U11.5 U12.19 U31.7 U31.10 U34.21 U34.23 U39.18 U39.21 U42.7 U44.1 U44.6 U44.10 U45.1 U45.6 U45.10 U46.1 U46.6 U46.10 U47.7 U47.8 U48.1 U48.6 U48.10 U49.1 U49.6 U49.10 U50.1 U50.6 U50.10 U53.7 U56.5 U58.12 U58.13 U58.14 U59.1 U60.1 U67.1 U67.7 U68.1 U68.7
+3V3_CLEAN: C36.1 C80.1 C110.1 C112.1 C115.1 C116.1 C117.1 C118.1 C119.1 C122.1 C124.1 C125.1 C196.1 L12.2 L26.2 R58.2 R94.1 U13.1 U13.3 U16.1 U19.1 U20.1 U20.4 U20.20 U20.27 U20.30 Y3.6
+3V3_USB: C163.1 C164.1 C166.1 C169.1 C170.1 C172.1 C176.1 C177.1 C178.1 C180.1 C182.1 C183.1 C184.1 C355.1 C424.1 D16.1 L23.2 L24.1 L25.1 R78.1 R113.1 R115.1 R117.1 R118.1 R121.1 R122.1 R123.1 R124.1 R125.1 R126.1 R270.1 R271.2 R272.2 TP15.1 U15.1 U15.7 U15.10 U21.6 U21.8 U23.2 U23.16 U23.31 U23.36 U23.44 U23.50 U24.1 U24.7 U24.10 U25.7 U25.10 U26.1 U26.7 U26.10 U33.7 U33.10 U38.1 U38.7 U66.7 U66.10
+12V: C127.1 C134.1 C135.1 C343.1 C344.1 J21.2 M1.2 M2.2 Q16.1 Q16.2 Q16.3 Q23.1 Q23.2 Q23.3 R15.2 R16.2 R17.2 R109.2 R110.1 R111.1 R133.2 R134.1 R202.1 R203.1 R249.1 R252.1 R254.1 R256.1 R257.1 U35.H18 U57.1 U62.8
+12V_FMC1: C61.1 C62.1 P1.C35 P1.C37 R182.2 R235.1 U17.2 U63.7
+12V_FMC2: C5.1 C6.1 P2.C35 P2.C37 R183.2 R236.1 U32.2 U64.7
/FPGA/FPGA_PWR&MISC/GNDADC: C222.2 C224.2 L28.2 U1.M11 U1.N11 U1.N12 U1.P11 U1.P12
/FPGA/FPGA_PWR&MISC/VCCADC: C222.1 C224.1 L27.2 U1.M12
/Power/+12VS: C131.1 Q1.4 Q2.1 Q2.2 Q2.3 Q4.1 Q4.2 Q4.3 Q22.4 R15.1 R16.1 R17.1 TP2.1 U57.2 U62.7
/Power/Power_SW/1V5_DCDC: C413.1 C414.1 L42.1 R27.1 U58.2 U58.7 U58.8 U58.9 U58.A7
/Power/Power_SW/1V5_EN: R24.2 U54.34 U58.1
/Power/Power_SW/LTM4673/1V0: C195.2 C341.2 C348.1 L14.1 L32.1 R243.2 U35.A1 U35.A2 U35.A3 U35.B1 U35.B2 U35.B3 U35.C1 U35.C2 U35.C3 U35.D1 U35.D2 U35.D3 U35.E1 U35.E2
/Power/Power_SW/LTM4673/1V8: C161.2 C331.2 C346.2 L31.1 R244.2 U35.H1 U35.H2 U35.H3 U35.H4 U35.J1 U35.J2 U35.J3 U35.J4
/Power/Power_SW/LTM4673/2V5: C194.2 C340.2 C347.2 L21.1 R306.2 U35.L1 U35.L2 U35.L3 U35.L4 U35.M1 U35.M2 U35.M3 U35.M4
/Power/Power_SW/LTM4673/3V3: C330.2 C345.2 C349.1 L22.1 L45.1 R307.2 U35.R1 U35.R2 U35.T1 U35.T2 U35.T3 U35.U1 U35.U2 U35.U3 U35.V1 U35.V2 U35.V3 U35.W1 U35.W2 U35.W3
